# Altium PCB DK2.PcbDoc (part 2 of 5)
Units mm, origin at the board's own origin, x right, y up, seen from the top; angles counter-clockwise.
Board outline 129.5 x 68 mm, 4 copper layers (Top Layer, MidLayer1, Power, Bottom Layer), stack 0.98 mm thick; 275 components, 227 nets, 1103 pads, 1072 vias.
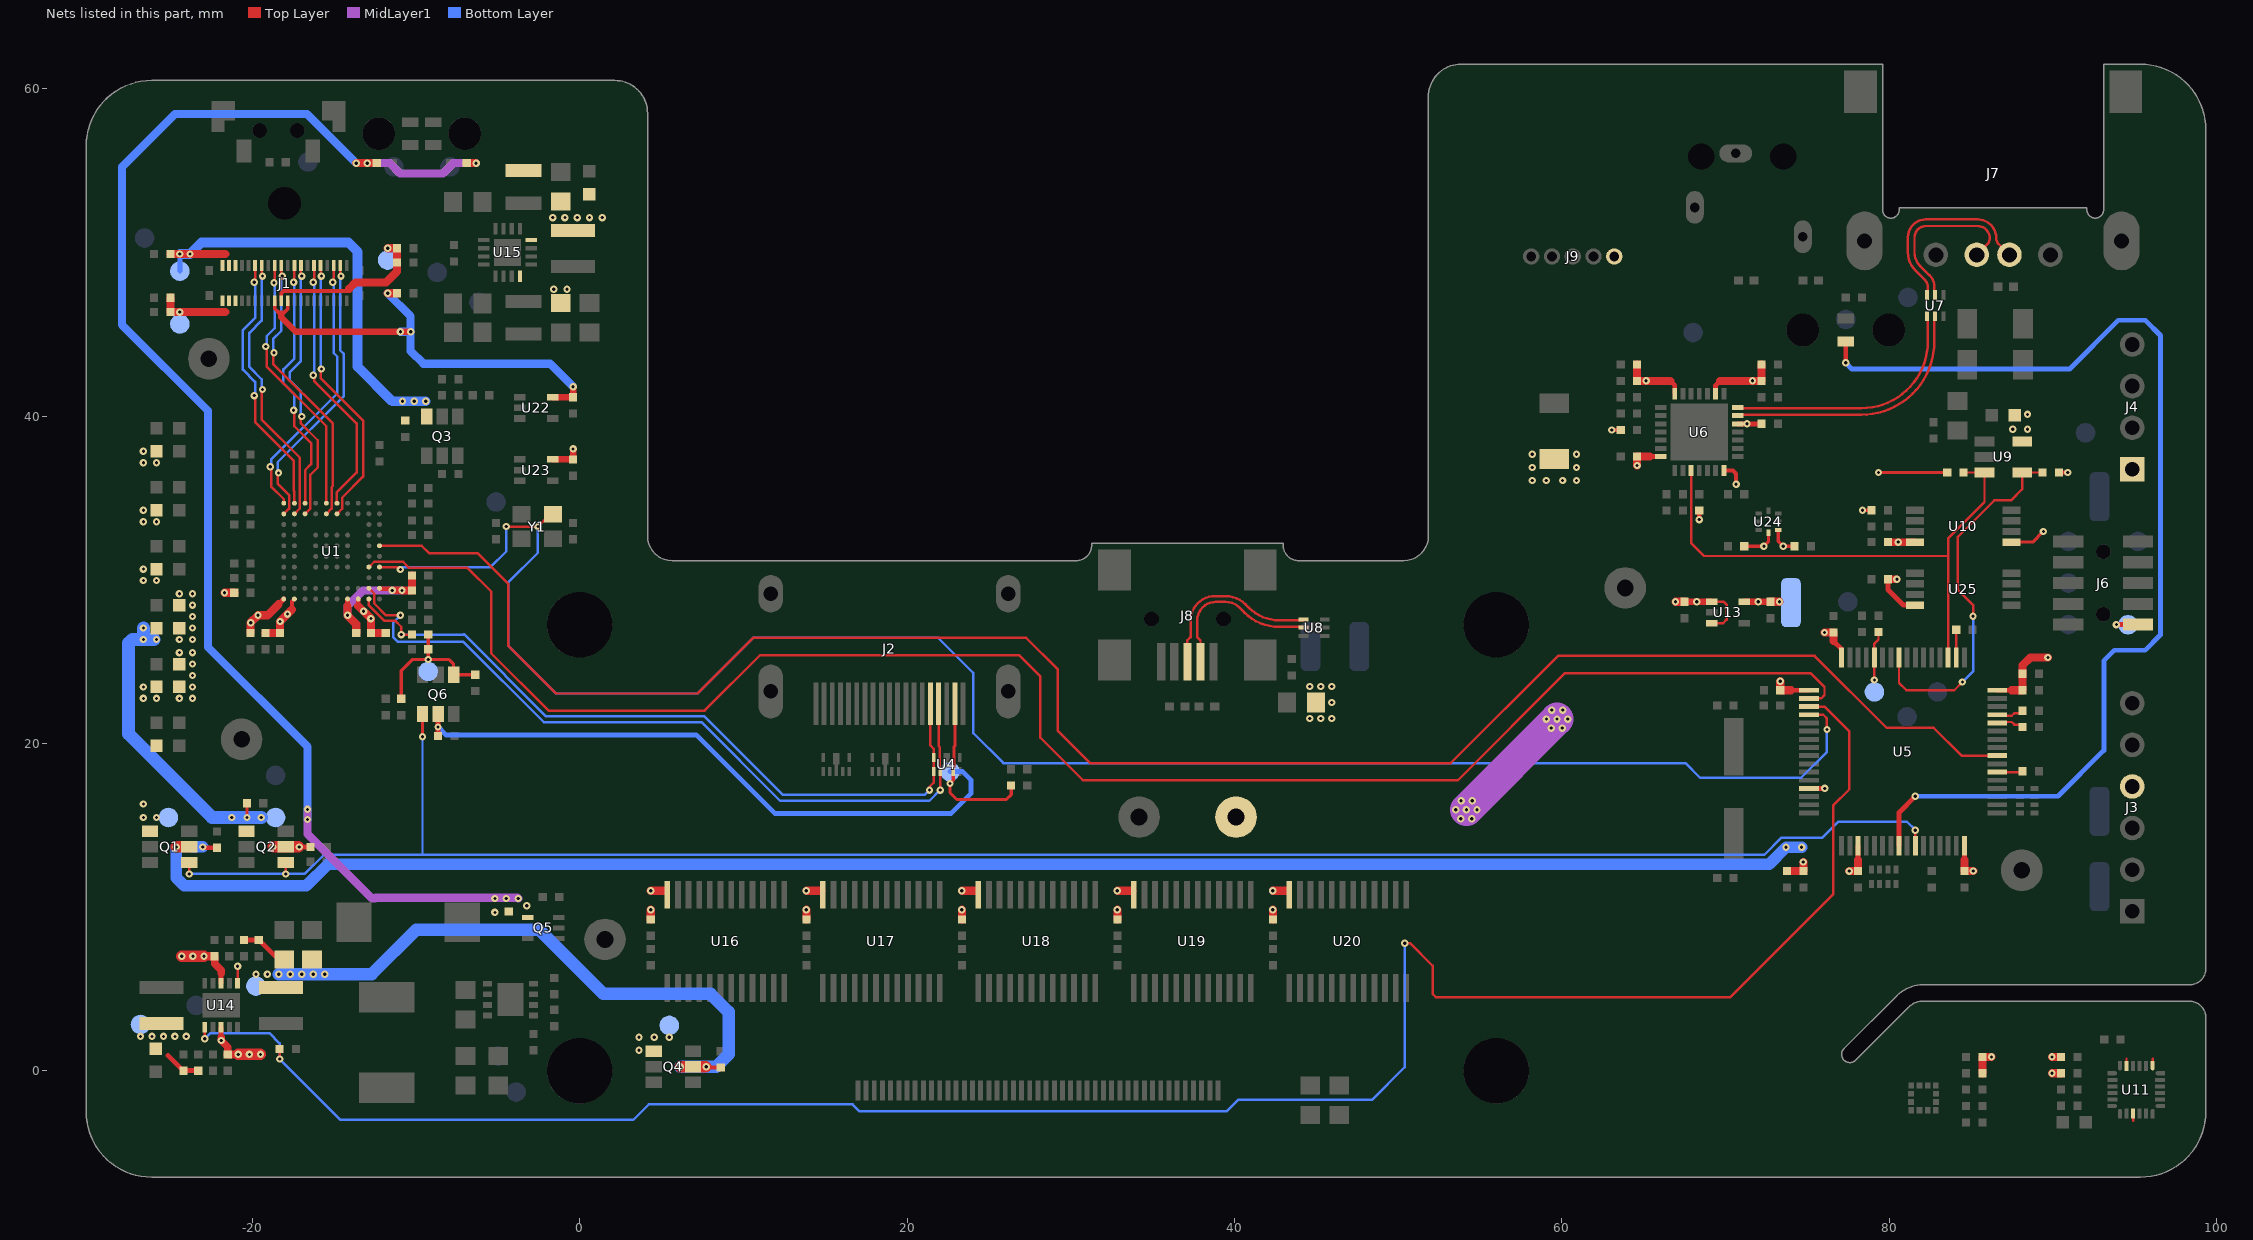
[diagram p4: the nets of this part, all layers, seen from the top]

## Part data
C1 C34 C40 C41 C50 C58 C61 C62 C77 C78 C79 C87: library part "CAP, CERAMIC", "CAP, CERAMIC, 1uF, ±10%, 10V, X5R, 0402"
C2 C5 C8 C10 C11 C14 C16 C19 C20 C23 C24 C27 C35 C52: library part "CAP, CERAMIC", "CAP, CERAMIC, 0.01uF, ±10%, 25V, X7R, 0402"
C3 C6 C12 C17 C21 C25 C49 C54 C68 C70: library part "CAP, CERAMIC", "CAP, CERAMIC, 10uF, ±20%, 6.3V, X5R, 0603"
C4 C7 C9 C13 C15 C18 C22 C26 C29 C30 C31 C32 C33 C36 C39 C42 C43 C44 C45 C46 C47 C51 C53 C55 C56 C57 C59 C60 C80 C81 C82 C83 C84 C85 C93 C94 C95 C96 C97 C100 C101 C102: library part "CAP, CERAMIC", "CAP, CERAMIC, 0.1uF, ±10%, 16V, X7R, 0402"
C28 C65 C66: library part "CAP, CERAMIC", "CAP, CERAMIC, 4.7uF, ±10%, 6.3V, X5R, 0402"
C37 C38: library part "CAP, CERAMIC", "CAP, CERAMIC, 20pF, ±5%, 50V, NP0, 0402"
C48 C99 C103: library part "CAP, CERAMIC", "CAP, CERAMIC, 100uF, ±20%, 6.3V, X5R, 1206"
C63 C67: library part "CAP, CERAMIC", "CAP, CERAMIC, 22pF, ±5%, 50V, NP0, 0402"
C64 C71 C72 C73 C74 C75 C76 C86 C88 C89 C91 C92 C98: library part "CAP, CERAMIC", "CAP, CERAMIC, 22uF, ±20%, 10V, X5R, 0805"
C69: library part "CAP, CERAMIC", "CAP, CERAMIC, 1nF, ±10%, 50V, X7R, 0402"
C90: library part "CAP, TANTALUM", "CAP, TANTALUM, 470uF, ±20%, 6.3V, 7343-38"
D1 D5: "LED, BLUE, 0603"
D2: "LED, AMBER, 0603"
D3 D4 D6 D7 D8: "DIODE, ESD SUPPRESSOR, SINGLE LINE BI-DIRECTIONAL, LOW CAPACITANCE"
FB1 FB2 FB3 FB4 FB5 FB6: library part INDUCTOR, "FERRITE CHIP BEAD, 220 OHM @ 100MHz, 2.2A, 0603"
FB7 FB8: library part INDUCTOR, "FERRITE CHIP BEAD, 22 OHM @ 100MHz, 6A, 0805"
FB9 FB10 FB11: library part INDUCTOR, "FERRITE CHIP BEAD, 120 OHM @ 100MHz, 1.5A, 0402"
J1: "CONNECTOR, 40-PIN HEADER, 0.4MM PITCH"
J2: "CONNECTOR, HDMI TYPE A, R/A, SMD"
J3: library part "HEADER 1X6", "CONNECTOR, HEADER, 6 POS, 1X6, 0.1\" PITCH"
J4: library part "HEADER 1X4", "CONNECTOR, HEADER, 4 POS, 1X4, 0.1\" PITCH"
J5: "CONNECTOR, 2.5MM STEREO AUDIO JACK"
J6: "CONNECTOR, 10 POS, ARM CORTEX SWD HEADER"
J7: "CONNECTOR, USB TYPE A RECEPTICLE, MID MOUNT"
J8: library part BW_11163-106004-03, "CONNECTOR, USB MINI B, R/A, SMD"
J9: "CONNECTOR, HEADER, 1X5, 0.05\" PITCH"
J10: "CONNECTOR, FPC HEADER, 45 POS, 0.5MM PITCH"
L1 L2: library part INDUCTOR, "FERRITE CHIP BEAD, 600 OHM @ 100MHz, 300mA, 0402"
L3 L4: library part INDUCTOR, "INDUCTOR, SHIELDED POWER, 2.2uH, 1.5A"
L5 L6: library part INDUCTOR, "INDUCTOR, SHIELDED POWER, 4.7uH, 1.4A"
L7: library part INDUCTOR, "INDUCTOR, SHIELDED POWER, 10uH, 730mA"
L8: library part INDUCTOR, "INDUCTOR, SHIELDED POWER, 2.2uH, 9A"
Q1 Q2 Q3 Q4 Q6: "FET, COMPLEMENTARY, LOGIC LEVEL"
Q5: "TRANSISTOR, DUAL SILICON PNP"
R1 R2 R3 R25 R26 R30: library part RESISTOR, "RES, 2K OHM, 1/10W, ±1%, 0402"
R4: library part RESISTOR, "RES, 1K OHM, 1/10W, ±1%, 0402"
R5 R20 R28: library part RESISTOR, "RES, 47K OHM, 1/10W, ±1%, 0402"
R6: library part RESISTOR, "RES, 33 OHM, 1/10W, ±1%, 0402"
R7 R12: library part RESISTOR, "RES, 470 OHM, 1/10W, ±1%, 0402"
R8: library part RESISTOR, "RES, 330 OHM, 1/10W, ±1%, 0402"
R9 R15 R17 R19 R21 R27 R35 R36 R42 R43 R50 R54: library part RESISTOR, "RES, 10K OHM, 1/10W, ±1%, 0402"
R10 R16 R22 R23 R32 R33 R34 R37: library part RESISTOR, "RES, 100K OHM, 1/10W, ±1%, 0402"
R11 R13 R14 R31: library part RESISTOR, "RES, 22 OHM, 1/10W, ±1%, 0402"
R18: library part RESISTOR, "RES, 1M OHM, 1/10W, ±1%, 0402"
R24: library part RESISTOR, "RES, 649 OHM, 1/10W, ±1%, 0402"
R29: library part RESISTOR, "RES, 453K OHM, 1/10W, ±1%, 0402"
R38: library part RESISTOR, "RES, 100 OHM, 1/10W, ±1%, 0402"
R39 R41 R53: library part RESISTOR, "RES, 4.7K OHM, 1/10W, ±1%, 0402"
R45 R46 R47 R48 R49: library part RESISTOR, "RES 340 OHM, 1/10W, ±1%, 0402"
R51: library part RESISTOR, "RES, 10 OHM, 1/10W, ±1%, 0402"
R52: library part RESISTOR, "RES, 24K OHM, 1/10W, ±1%, 0402"
RA1 RA2: "RESISTOR ARRAY, 4 RESISTORS, 22 OHM, 5%, 0.5MM PITCH"
SW1: "SWITCH, TACTILE, SPST-NO, 250gf"
TP1 TP2 TP3 TP4 TP5 TP6 TP7 TP8 TP9 TP10 TP12 TP13 TP19 TP20 TP21 TP22 TP23 TP24 TP25 TP26 TP27 TP28 TP29 TP30 TP31 TP33 TP34 TP35 TP36 TP37 TP38 TP39 TP40 TP41 TP42 TP43 TP44 TP45 TP46 TP47: library part TEST_POINT_GENERIC
TP11 TP14 TP15 TP16 TP17 TP18: library part TEST_POINT_BLACK
TP32: library part TEST_POINT_RED
U1: "IC, HDMI RX TO MIPI DSI TX BRIDGE"
U2 U3 U4: "IC, 4-LINE ESD PROTECTION ARRAY, HIGH SPEED"
U5: "IC, STM32L MICROCONTROLLER, ARM CORTEX M3"
U6: "IC, USB 2.0 HUB CONTROLLER, 4-PORT, STT"
U7 U8: "IC, COMMON MODE FILTER WITH ESD PROTECTION FOR MIPI"
U9: "IC, USB POWER DISTRIBUTION SWITCH, 500mA CURRENT LIMIT"
U10: "IC, EEPROM, I2C, 32 Kbits"
U11: "IC, MEMS 3 AXIS GYROSCOPE AND 3 AXIS ACCELEROMETER"
U12: "IC, MEMS 3 AXIS MAGNETOMETER"
U13: "IC, LDO REGULATOR, 3.0V, 150mA, HIGH PSRR"
U14: "IC, DUAL STEP DOWN CONVERTER, 1A, 1.25MHz"
U15: "IC, TRIPLE OUTPUT AMOLED DISPLAY POWER SUPPLY"
U16 U17 U18 U19 U20: "IC, LED DRIVER, 16-BIT CONSTANT CURRENT SINK DRIVER"
U21: "IC, BUCK REGULATOR, 3A"
U22 U23: "IC, NON-INVERTING BUFFER, CMOS LOGIC LEVEL SHIFTER"
U24: "IC, I2C TRANSLATOR, BUFFER AND REPEATER"
U25: "IC, EEPROM, I2C, 2kB"
X1: "CRYSTAL, 12MHZ, +/-30PPM, 20pF, HC-49USX"
Y1: "OSCILLATOR, 27MHz, MEMS, 3.3V, 50PPM"

## Free pads (board coordinates)
  round 0 hole 2 slot 15 at 0 deg unplated mask+0.1: 0(-18.025,53)
  round 2 hole 2 unplated: 0(-12.275,57.25) 0(-7.025,57.25) 0(74.725,45.25) 0(79.975,45.25)
  round 4 hole 4 unplated: 0(0,0) 0(0,27.25) 0(56,0) 0(56,27.25)

## Via types
v1: diameter 0.45, hole 0.2, Top Layer to Bottom Layer, tented both sides, 801 vias
v2: diameter 0.8, hole 0.3, Top Layer to Bottom Layer, tented both sides, 266 vias
v3: diameter 0.457, hole 0.203, Top Layer to Bottom Layer, tented both sides, 5 vias

## Nets (pads, with @x,y where several pads share a name; then routed paths per layer and width w, separated by ;. In a path a pad name is that pad's centre, name@x,y a point inside that pad or via, vN(x,y) a via of type N, cw(c..) or ccw(c..) an arc to the next point about the centre after c; other vN are vias at no path point)
1.2V: C67.1 C68.1 FB2.1 FB3.1 FB4.1 FB5.1 L4.1 R32.2 TP28.1 | length 2.2
  Top Layer w0.3: -25.158,0.942 -24.225,0.008 R32.2@-23.3,0.008
  other v1: -26.825,2.1 -26.125,2.1 -25.425,2.1 -24.725,2.1 -24.025,2.1 -26.65,22.75 -25.85,22.75 -26.65,23.45 -26.65,29.95 -25.85,29.95 -26.65,30.65 -26.65,33.55 -25.85,33.55 -26.65,34.25 -26.65,37.15 -25.85,37.15 -26.65,37.85
3.0V: C28.1 C29.1 C30.1 C31.1 C32.1 C33.1 C34.1 C35.1 C51.1 C55.1 C59.1 C62.1 C80.1 C101.1 J3.4 J4.1 J6.1 L1.2 L2.2 Q1.2 R16.2 R26.2 R35.2 TP8.1 TP24.1 U5.1 U5.13 U5.19 U5.32 U5.48 U5.64 U10.1 U10.8 U13.5 U24.1 U25.8 | length 137.7
  Top Layer w0.2: U24.1@73.23,33.05 73.23,32.345 v1(73.525,32.05) C80.1@74.225,32.05 ; v1(78.375,34.25) R26.2@78.925,34.25 ; U10.1@87.475,32.3 88.775,32.3 v1(89.425,32.95)
  Top Layer w0.25: v1@-22.969,13.625 R35.2@-22.15,13.625 ; R16.2@90.375,36.55 v1(90.917,36.55)
  Top Layer w0.3: 73.999,23.251 U5.1@75.101,23.251 ; U5.13@75.101,17.251 v1(76.071,17.251) ; 76.601,26.249 77.101,25.749 U5.64@77.101,25.251 ; 78.101,12.876 U5.19@78.101,13.751 ; C101.1@79.925,30.025 79.925,29.4 80.875,28.45 U25.8@81.575,28.45 ; 84.601,12.876 U5.32@84.601,13.751 ; U5.48@86.601,23.251 87.476,23.251 ; v1(93.885,27.259) J6.1@95.2,27.259
  Top Layer w0.4: U13.5@71.15,28.65 C62.1@72.775,28.65
  Top Layer w0.45: C101.1@79.925,30.025 v1(80.475,30.025) ; C51.1@80.025,32.3 U10.8@81.575,32.3
  Top Layer w0.5: C62.1@72.75,28.65 v1(73.3,28.65) ; v1(73.351,23.801) C29.1@73.351,23.251 73.999,23.251 ; C34.1@73.76,12.205 C35.1@74.76,12.205 v1(74.76,12.755) ; v1(76.051,26.776) C32.1@76.601,26.776 76.601,26.249 ; v1(77.559,12.201) C30.1@78.101,12.201 78.101,12.876 ; 84.601,12.876 84.601,12.209 v1(85.143,12.209) ; L2.2@85.7,-0.15 C59.1@85.7,0.85 v1(86.25,0.85) ; 87.476,23.251 C31.1@88.151,23.251 C28.1@88.151,24.251 ; C28.1@88.151,24.251 88.151,24.776 88.625,25.25 v1(89.7,25.25) ; v1(89.95,-0.15) L1.2@90.5,-0.15 ; v1(89.95,0.85) C55.1@90.5,0.85
  Top Layer w0.7: v1(-24.639,13.675) Q1.2@-23.85,13.675
  Bottom Layer w0.7: v1(-23.032,13.675) v1(-24.639,13.675) -24.639,11.789 -24.15,11.3 -16.7,11.3 -15.375,12.625 72.675,12.625 v1(73.7,13.65) v1(74.65,13.65)
  other v1: 72,28.65 80.55,32.3
3.0V_SW: C1.1 C93.1 C94.1 FB1.1 J1.19 J1.23 Q1.4 TP33.1 U22.5 U23.5 | length 30.4
  Top Layer w0.23: J1.23@-18.625,47.05 -18.625,46.55 -18.4,46.325 -18.05,46.325 -17.825,46.55 J1.19@-17.825,47.05
  Top Layer w0.4: -18.225,46.225 -18.225,46.03 -17.345,45.15 v1(-10.95,45.15) v1(-10.325,45.15) ; U23.5@-1.655,37.35 C94.1@-0.4,37.35 v1(-0.4,37.992) ; U22.5@-1.65,41.15 C93.1@-0.4,41.15 v1(-0.4,41.792)
  Top Layer w0.5: v1(-11.725,47.5) C1.1@-11.15,47.5
  Bottom Layer w0.5: v1(-11.725,47.5) -10.325,46.1 v1(-10.325,45.15) ; v1(-10.95,45.15) v1(-10.325,45.15) ; v1(-0.4,41.792) -1.808,43.2 -9.55,43.2 -10.325,43.975 v1(-10.325,45.15)
  other v1: -26.65,15.475 -25.85,15.475 -26.65,16.3
3.3V: C40.1 C41.1 C42.1 C43.1 C44.1 C45.1 C61.1 C63.1 C64.1 C95.1 C98.1 C99.1 L3.1 Q2.2 Q4.2 R15.2 R19.2 R29.2 R36.2 R50.2 TP27.1 U6.5 U6.9 U6.14 U6.21 U6.28 U13.1 U13.3 U24.8 | length 68.6
  Top Layer w0.15: U13.3@69.15,27.35 69.865,27.35 70.075,27.56 70.075,28.485 69.91,28.65 U13.1@69.15,28.65
  Top Layer w0.2: C95.1@71.15,32.05 v1(72.35,32.05) 72.625,32.325 U24.8@72.625,32.875 ; v1(79.35,36.55) R15.2@83.55,36.55
  Top Layer w0.25: v1@7.806,0.2 R50.2@8.625,0.2 ; v1(68.401,33.674) R19.2@68.401,34.216 ; U6.28@69.901,36.674 70.451,36.674 70.65,36.475 v1@70.65,35.85
  Top Layer w0.3: R29.2@-20.5,8 C63.1@-19.6,8 -18.65,7.05 ; v1(-17.132,13.675) R36.2@-16.45,13.675 ; 65.376,37.524 U6.21@66.051,37.524 ; 66.625,42.149 66.901,41.873 U6.14@66.901,41.374 ; U6.9@69.401,41.374 69.401,41.874 69.676,42.149 ; U6.5@70.751,39.524 v1(71.315,39.524) C42.1@72.193,39.524
  Top Layer w0.4: C61.1@67.5,28.65 U13.1@69.133,28.65
  Top Layer w0.5: v1(64.6,36.975) C45.1@64.601,37.524 65.376,37.524 ; C41.1@64.601,43.149 C44.1@64.601,42.149 v1(65.151,42.149) 66.625,42.149 ; v1(66.95,28.65) C61.1@67.5,28.65 ; 69.676,42.149 v1(71.651,42.149) C43.1@72.201,42.149 C40.1@72.201,43.149
  Top Layer w0.7: v1@-18.724,13.675 v1@-17.174,13.675 ; v1@6.15,0.25 v1@7.701,0.25
  Bottom Layer w0.762: v1(-18.375,5.9) -12.7,5.9 -9.975,8.625 -2.475,8.625 1.45,4.7 8,4.7 9.1,3.6 9.1,1 8.35,0.25 v1(6.136,0.25)
  other v1: 7.743,0.25 -19.775,5.9 -19.075,5.9 -17.675,5.9 -16.975,5.9 -16.275,5.9 -15.575,5.9 -18.739,13.675 68.25,28.65 70.65,35.825 58.2,36.06 59.05,36.06 60.05,36.06 60.9,36.06 58.2,36.86 60.9,36.86 58.2,37.66 60.9,37.66
3.3V_LED: C81.1 C82.1 C83.1 C84.1 C85.1 Q4.4 TP43.1 U16.24 U17.24 U18.24 U19.24 U20.24 | length 7.6
  Top Layer w0.5: C81.1@4.35,9.25 v1(4.35,9.842) ; v1(4.35,11) U16.24@5.275,11 ; C82.1@13.85,9.25 v1(13.85,9.842) ; v1(13.85,11) U17.24@14.775,11 ; C83.1@23.35,9.25 v1(23.35,9.842) ; v1(23.35,11) U18.24@24.275,11 ; C84.1@32.85,9.25 v1(32.85,9.842) ; v1(32.85,11) U19.24@33.775,11 ; C85.1@42.35,9.25 v1(42.35,9.842) ; v1(42.35,11) U20.24@43.275,11
  other v1: 3.625,1.25 3.625,2.05 4.55,2.05 5.475,2.05
3.3V_SW: C70.1 C71.1 C72.1 C100.1 FB6.1 L5.2 L7.2 Q2.4 TP34.1 U15.12 U15.16 | length 19
  Top Layer w0.2: v1(-20.325,15.475) C100.1@-20.325,16.35
  Bottom Layer w0.8: v1(-26.65,27.05) v1(-26.65,26.35) ; v1@-26,26.35 v1(-26.65,26.35) ; v1(-19.45,15.475) v1(-21.25,15.475) -22.45,15.475 -27.55,20.575 -27.55,26.125 -27.325,26.35 v1(-26.65,26.35)
  other v1: -25.85,26.35 -1.575,47.75 -0.775,47.75 -1.65,52.125 -0.9,52.125 -0.15,52.125 0.6,52.125 1.375,52.125
5V: C49.1 C65.1 C66.1 FB7.2 J9.1 Q5.4 R7.2 R8.2 R17.2 R51.1 TP32.1 U9.5 U14.1 U14.3 U14.8 | length 103.9
  Top Layer w0.15: U14.1@-20.9,5.35 v1@-20.9,6.38
  Top Layer w0.25: v1(63.051,39.149) R17.2@63.601,39.149
  Top Layer w0.3: v1@-21.9,2.05 U14.8@-21.9,2.65 ; U14.3@-21.9,5.35 -21.9,5.95
  Top Layer w0.45: C65.1@-22.3,7 -22.3,6.55 -21.9,6.15 -21.9,5.95 ; v1@-21.9,2.05 v1(-21.9,1.85) -21.5,1.45 C66.1@-21.5,1.008
  Top Layer w0.5: v1@-22.8,7 C65.1@-22.3,7 ; C66.1@-21.5,1 v1@-21,1 ; v1(-13.65,55.45) R8.2@-12.4,55.45 ; R7.2@-6.9,55.45 v1(-6.325,55.45)
  Top Layer w0.7: v1(-24.3,7) v1(-22.95,7) ; v1(-20.85,1) v1(-19.5,1)
  MidLayer1 w0.5: v1(-16.625,15.97) -16.625,14.465 -12.685,10.525 -12.509,10.525 -12.459,10.575 -3.8,10.575 v1(-3.75,10.525) ; v1(-12.975,55.45) -11.6,55.45 -10.975,54.825 -8.341,54.825 -7.716,55.45 v1(-6.325,55.45)
  MidLayer1 w2: v1(54.175,15.95) v1(59.712,21.488)
  Bottom Layer w0.5: v1(-16.625,15.35) -16.625,19.8 -22.7,25.875 -22.7,40.325 -27.95,45.575 -27.95,55.225 -24.715,58.46 -16.66,58.46 v1(-13.65,55.45) v1(-12.975,55.45)
  other v1: -20.175,1 -20.895,6.38 -23.625,7 -5.175,9.675 -3.225,10.075 -5.175,10.525 -4.475,10.525 53.825,15.4 54.5,15.4 53.525,15.95 54.825,15.95 53.85,16.5 54.525,16.5 59.363,20.938 60.037,20.938 59.062,21.488 60.362,21.488 44.6,21.525 45.275,21.525 45.95,21.525 59.387,22.037 60.062,22.037 45.95,22.5 44.6,23.475 45.275,23.475 45.95,23.475 87.55,39.2 88.45,39.2 88.45,40.1
ACC_LED_EN: D5.2 U5.24 | length 66.3
  Top Layer w0.3: v1(77.35,43.25) D5.2@77.35,44.55 ; U5.24@80.601,13.751 80.601,15.776 v1(81.6,16.775)
  Bottom Layer w0.3: v1(77.35,43.25) 77.725,42.875 91.025,42.875 94,45.85 95.65,45.85 96.58,44.92 96.58,26.63 95.64,25.69 93.76,25.69 93.12,25.05 93.12,19.58 90.315,16.775 v1(81.6,16.775)
ACC_PWR_EN: R16.1 U5.57 U9.4 | length 22.7
  Top Layer w0.15: U5.57@80.601,25.251 80.601,23.699 81.05,23.25 83.975,23.25 v1(84.475,23.75) ; v1(85.125,27.775) 85.125,28.45 84.2,29.375 84.2,32.626 86.424,34.85 87.45,34.85 88.125,35.525 U9.4@88.125,36.55 R16.1@89.375,36.55
  Bottom Layer w0.15: v1(84.475,23.75) 85.125,24.4 v1(85.125,27.775)
ACC_PWR_FAULT: R15.1 U5.51 U6.24 U9.3 | length 34
  Top Layer w0.15: U6.24@67.901,36.674 67.901,32.234 68.685,31.45 83.601,31.45 ; U5.51@83.601,25.251 83.601,32.526 85.825,34.75 U9.3@85.825,36.55 R15.1@84.55,36.55
AUX_CL: U11.7 | length 0.5
  Top Layer w0.15: U11.7@96.1,0.3 96.1,0.75
AUX_DA: U11.21 | length 0.5
  Top Layer w0.15: 94.9,-3.05 U11.21@94.9,-2.6
AVDD12: C17.1 C18.1 C19.1 C20.1 FB3.2 U1.A1 U1.H1 | length 6.5
  Top Layer w0.3: -18.4,28.5 U1.A1@-18.075,28.825 ; -13.525,28.4 U1.H1@-13.525,28.825
  Top Layer w0.5: C18.1@-20.1,26.758 v1(-20.1,27.375) v1(-19.65,27.825) -19.075,27.825 -18.4,28.5 ; -13.525,28.4 v1(-12.75,27.625) C19.1@-12.75,26.75 C20.1@-11.85,26.75
  other v1: -24.45,22.75 -23.65,22.75 -23.65,23.45 -23.65,24.15 -23.65,24.85 -24.45,25.55 -23.65,25.55 -13.199,28.074
AVDD33: C15.1 C16.1 C21.1 C22.1 C23.1 C24.1 FB6.2 R1.2 U1.B1 U1.G1 U1.K2 | length 13.4
  Top Layer w0.25: -17.575,28.175 -17.575,28.675 U1.B1@-17.45,28.8 ; U1.K2@-12.225,29.45 v1@-11.449,29.45
  Top Layer w0.3: -14.175,28.4 U1.G1@-14.175,28.825
  Top Layer w0.45: v1(-11.449,29.349) v1(-10.849,29.349)
  Top Layer w0.5: v1(-21.699,29.2) R1.2@-21.099,29.2 ; C22.1@-19.2,26.75 C23.1@-18.3,26.75 v1(-18.3,27.45) -17.575,28.175 ; -14.175,28.4 v1(-14.175,27.826) -13.65,27.301 C24.1@-13.65,26.75 ; v1@-10.849,29.35 C16.1@-10.25,29.35 C15.1@-10.25,30.25
  MidLayer1 w0.5: v1(-14.175,27.826) -14.175,28.4 -13.226,29.349 v1(-11.449,29.349) v1(-10.849,29.349)
  other v1: -24.45,26.35 -23.65,26.35 -23.65,27.05 -23.65,27.75 -17.85,27.9 -23.65,28.45 -24.45,29.15 -23.65,29.15
BOOT0: R9.2 TP23.1 U5.60 | length 3
  Top Layer w0.15: v1@79.101,23.9 U5.60@79.101,25.251 79.101,26.101 79.351,26.351 R9.2@79.351,26.793
  other v1: 79.1,23.875
BRIDGE_1.2V_EN: R34.2 U5.3 U14.6 | length 131.5
  Top Layer w0.15: v1(-22.9,1.95) U14.6@-22.9,2.65 U14.6@-22.9,2.7 ; v1(-18.327,0.723) R34.2@-18.327,1.338 ; v1(50.4,7.8) 50.725,7.8 52.118,6.407 52.118,4.682 52.3,4.5 70.3,4.5 76.575,10.775 76.575,16.2 77.575,17.2 77.575,20.725 76.049,22.251 U5.3@75.101,22.251
  Bottom Layer w0.15: v1(-22.9,1.95) -22.55,2.3 -18.95,2.3 -18.327,1.677 v1(-18.327,0.723) -14.604,-3 3.275,-3 4.225,-2.05 16.675,-2.05 17.1,-2.475 39.525,-2.475 40.225,-1.775 48.407,-1.775 50.4,0.218 v1(50.4,7.8)
BRIDGE_IRQ: U1.J4 U5.2 | length 106.4
  Top Layer w0.15: U1.J4@-12.875,30.775 -12.55,31.1 -10.789,31.1 -10.414,30.725 -6.85,30.725 -5.4,29.275 -5.4,25.5 -1.9,22 7.635,22 11.035,25.4 26.85,25.4 28.15,24.1 28.15,20.345 30.745,17.75 53.655,17.75 60.205,24.3 75.2,24.3 76.05,23.45 76.05,22.95 75.851,22.751 U5.2@75.101,22.751
BRIDGE_PWR_EN: Q1.1 Q2.1 Q6.1 U5.26 | length 117.9
  Top Layer w0.15: v1(-23.85,12.025) Q1.1@-23.85,12.725 ; v1(-17.95,12.025) Q2.1@-17.95,12.725 ; U5.26@81.601,13.751 v1(81.601,14.701)
  Top Layer w0.2: v1(-9.6,20.4) Q6.1@-9.6,21.8
  Bottom Layer w0.15: v1(-23.85,12.025) -16.8,12.025 -15.625,13.2 -9.6,13.2 ; v1(-9.6,20.4) -9.6,13.2 ; v1(81.601,14.701) 81.077,15.225 76.9,15.225 75.9,14.225 73.4,14.225 72.375,13.2 -9.6,13.2
BRIDGE_RESET: U1.K6 U5.40 | length 116.8
  Top Layer w0.15: U1.K6@-12.225,32.075 -9.65,32.075 -9.2,31.625 -6.241,31.625 -4.35,29.734 -4.35,25.959 -1.441,23.05 7.2,23.05 10.6,26.45 27.285,26.45 29.2,24.535 29.2,20.78 31.18,18.8 53.22,18.8 59.77,25.35 75.45,25.35 79.85,20.95 82.725,20.95 84.424,19.251 U5.40@86.601,19.251
BRIDGE_STBY: U1.K4 U5.4 Y1.1 | length 113.4
  Top Layer w0.15: U1.K4@-12.225,30.775 -11.1,30.775 v1(-10.95,30.625) ; v1(-4.475,33.25) v1(-2.55,33.25) Y1.1@-1.925,33.875 ; U5.4@75.101,21.751 75.973,21.751 76.2,21.524 v1(76.2,20.85)
  Bottom Layer w0.15: v1(-10.95,30.625) -10.825,30.75 -5.466,30.75 -4.475,31.741 v1(-4.475,33.25) ; v1(-2.55,33.25) -2.55,31.65 -4.35,29.85 -4.35,25.959 -1.441,23.05 7.2,23.05 10.6,26.45 21.909,26.45 24.05,24.309 24.05,20.635 25.885,18.8 67.555,18.8 68.455,17.9 74.625,17.9 76.2,19.475 v1(76.2,20.85)
C_D2USBD_N: J7.2 U7.5 | length 10.7
  Top Layer w0.15: U7.5@82.81,47.4 82.76,47.45 82.76,47.9 ccw(c81.781,47.9) 82.473,48.592 81.892,49.173 cw(c82.719,50) 81.55,50 81.55,50.909 cw(c82.251,50.909) 82.251,51.61 85.4,51.61 cw(c85.4,50.86) 86.15,50.86 cw(c85.643,50.86) 86.002,50.502 J7.2@85.35,49.85
C_D2USBD_P: J7.3 U7.6 | length 11.9
  Top Layer w0.15: 81.609,48.891 cw(c82.719,50) 81.15,50 81.15,50.915 cw(c82.245,50.915) 82.245,52.01 85.4,52.01 cw(c85.4,50.86) 86.55,50.86 ccw(c87.057,50.86) 86.698,50.502 ; 81.61,48.89 82.19,48.31 cw(c81.781,47.9) 82.36,47.9 82.36,47.45 U7.6@82.31,47.4 ; 86.698,50.502 J7.3@87.35,49.85
C_UUSBD_N: J8.2 U8.2 | length 10.2
  Top Layer w0.15: J8.2@37.93,24.995 37.93,26.295 37.725,26.5 37.725,27.5 cw(c38.875,27.5) 38.875,28.65 39.456,28.65 cw(c39.456,27.436) 40.315,28.294 40.612,27.997 ; 40.613,27.996 ccw(c42.718,30.104) 42.718,27.125 44.175,27.125 U8.2@44.225,27.075
C_UUSBD_P: J8.3 U8.1 | length 10.8
  Top Layer w0.15: J8.3@37.13,24.995 37.13,26.305 37.325,26.5 37.325,27.498 cw(c38.827,27.498) 38.827,29 39.457,29 cw(c39.457,27.266) 40.682,28.493 40.895,28.28 ; 40.896,28.279 ccw(c42.718,30.104) 42.718,27.525 44.175,27.525 U8.1@44.225,27.575
CAM_SYNC_IN: R31.1 U5.38 | length 1.5
  Top Layer w0.15: U5.38@86.601,18.251 R31.1@88.125,18.251
CAM_SYNC_OUT: R11.1 U5.50 | length 1.7
  Top Layer w0.15: U5.50@84.101,25.251 R11.1@84.1,26.95
D1USBD_N: R13.2 U5.44 | length 1.6
  Top Layer w0.15: U5.44@86.601,21.251 86.66,21.31 87.492,21.31 87.651,21.151 R13.2@88.151,21.151
D1USBD_P: R14.2 U5.45 | length 1.6
  Top Layer w0.15: U5.45@86.601,21.751 86.66,21.692 87.492,21.692 87.651,21.851 R14.2@88.151,21.851
D2USBD_N: U6.6 U7.2 | length 16.2
  Top Layer w0.15: U6.6@70.751,40.024 70.802,40.075 78.294,40.075 ; 78.294,40.079 ccw(c78.294,44.545) 82.76,44.545 82.76,46.05 U7.2@82.81,46.1
D2USBD_P: U6.7 U7.1 | length 15.5
  Top Layer w0.15: U6.7@70.751,40.524 70.8,40.475 78.294,40.475 ; 78.294,40.48 ccw(c78.294,44.545) 82.36,44.545 82.36,46.05 U7.1@82.31,46.1
DDC_+5V: J2.18 Q6.2 R21.2 R28.2 TP25.1 U4.4 | length 49.1
  Top Layer w0.2: J2.18@22.93,22.42 22.93,19.855 22.875,19.8 22.875,18.616 22.825,18.566 U4.4@22.825,18.295 22.825,17.75 v1(22.625,17.55) 22.625,17 23.05,16.575 26.075,16.575 26.375,16.875 R28.2@26.375,17.425
  Top Layer w0.3: R21.2@-8.65,20.45 v1(-8.65,21) Q6.2@-8.65,21.8
  Bottom Layer w0.3: v1(-8.65,21) -8.175,20.525 7.125,20.525 11.925,15.725 22.7,15.725 23.9,16.925 23.9,17.775 23.4,18.275 TP25.1@22.625,18.275
DDC_+5V_SW: C97.1 Q6.4 R4.2 R5.2 R42.1 TP26.1 | length 8.8
  Top Layer w0.2: R42.1@-10.9,22.725 -10.9,24.45 -10.225,25.125 v1(-9.25,25.125) ; R5.2@-9.25,26.65 R4.2@-9.25,25.75 v1(-9.25,25.125) ; C97.1@-6.375,24.2 Q6.4@-7.7,24.2 -7.7,24.85 -7.975,25.125 v1(-9.25,25.125)
DDC_SCL: J2.15 R5.1 U1.J1 U4.1 U4.8 | length 45.9
  Top Layer w0.15: U1.J1@-12.875,28.825 -12.875,28.426 -11.949,27.5 -11.275,27.5 -10.9,27.125 v1(-10.9,26.65) R5.1@-10.25,26.65 ; v1(21.375,17.15) 21.375,17.35 21.625,17.6 U4.1@21.625,18.295 U4.8@21.625,19.145 21.625,19.675 21.425,19.875 J2.15@21.425,22.42
  Bottom Layer w0.15: v1(-10.9,26.65) -7.075,26.65 ; -7.075,26.675 -2.05,21.65 7.625,21.65 12.4,16.875 21.1,16.875 v1(21.375,17.15)
DDC_SDA: J2.16 U1.J2 U4.2 | length 47.6
  Top Layer w0.14: -12.55,28.775 -12.55,28.85
  Top Layer w0.15: U1.J2@-12.875,29.475 -12.55,29.15 -12.55,28.85 ; -12.55,28.775 -12.55,28.55 -11.825,27.825 v1(-10.95,27.825) ; J2.16@21.925,22.42 21.925,19.85 22,19.775 22,18.5 22.025,18.475 U4.2@22.025,18.295 v1(22.025,17.15)
  Bottom Layer w0.15: v1(-10.95,27.825) -11.4,27.375 -11.4,26.5 -11.1,26.2 -7.095,26.2 -2.195,21.3 7.45,21.3 12.25,16.5 21.375,16.5 v1(22.025,17.15)
DSIC_N: J1.16 U1.C9 | length 16.5
  Top Layer w0.15: v1@-17.025,39.975 -17.025,39.545 -16,38.52 -16,36.86 -16.45,36.41 -16.45,34.35 U1.C9@-16.775,34.025 ; v1@-17.025,48.55 J1.16@-17.025,49.2
  Bottom Layer w0.15: v1@-17.025,39.975 -17.025,41.491 -17.7,42.166 -17.7,42.684 -17.025,43.359 v1@-17.025,48.55
  other v1: -16.975,39.975 -16.975,48.55
DSIC_P: J1.18 U1.C10 | length 15.7
  Top Layer w0.15: v1@-17.425,40.35 -17.425,39.379 -16.4,38.354 -16.4,37.06 -16.775,36.685 U1.C10@-16.775,34.675 ; v1@-17.425,48.175 J1.18@-17.425,49.2
  Bottom Layer w0.15: v1@-17.425,40.35 -17.425,41.325 -18.1,42 -18.1,42.85 -17.425,43.525 v1@-17.425,48.175
  other v1: -17.475,40.35 -17.475,48.175
DSID0_N: J1.10 U1.F9 | length 16.9
  Top Layer w0.15: v1@-15.825,42.875 -15.825,42.316 -13.23,39.721 -13.23,36.295 -14.5,35.025 -14.5,34.35 U1.F9@-14.825,34.025 ; v1@-15.825,48.55 J1.10@-15.825,49.2
  Bottom Layer w0.15: v1@-15.825,42.875 v1@-15.825,48.55
  other v1: -15.775,42.875 -15.775,48.55
DSID0_P: J1.12 U1.F10 | length 16.1
  Top Layer w0.15: v1@-16.225,42.5 -16.225,42.15 -13.63,39.555 -13.63,36.545 -14.825,35.35 U1.F10@-14.825,34.675 ; v1@-16.225,48.175 J1.12@-16.225,49.2
  Bottom Layer w0.15: v1@-16.225,42.5 v1@-16.225,48.175
  other v1: -16.275,42.5 -16.275,48.175
DSID1_N: J1.22 U1.E9 | length 17.1
  Top Layer w0.15: v1@-18.725,43.875 -18.725,43.191 -15.075,39.541 -15.075,35.725 -15.15,35.65 -15.15,34.35 U1.E9@-15.475,34.025 ; v1@-18.225,48.55 J1.22@-18.225,49.2
  Bottom Layer w0.15: v1@-18.725,43.875 -18.725,44.709 -18.225,45.209 v1@-18.225,48.55
  other v1: -18.675,43.875 -18.175,48.55
DSID1_P: J1.24 U1.E10 | length 16.2
  Top Layer w0.15: v1@-19.125,44.25 -19.125,43.025 -15.475,39.375 U1.E10@-15.475,34.675 ; v1@-18.625,48.175 J1.24@-18.625,49.2
  Bottom Layer w0.15: v1@-19.125,44.25 -19.125,44.875 -18.625,45.375 v1@-18.625,48.175
  other v1: -19.175,44.25 -18.675,48.15
DSID2_N: J1.28 U1.B9 | length 16.9
  Top Layer w0.15: v1@-19.425,41.625 -19.425,39.791 -17.1,37.466 -17.1,34.35 U1.B9@-17.425,34.025 ; v1@-19.425,48.55 J1.28@-19.425,49.2
  Bottom Layer w0.15: v1@-19.425,41.625 -19.425,42.25 -20.175,43 -20.175,45.084 -19.425,45.834 v1@-19.425,48.55
  other v1: -19.375,41.625 -19.375,48.55
DSID2_P: J1.30 U1.B10 | length 16.1
  Top Layer w0.15: v1@-19.825,41.25 -19.825,39.625 -17.475,37.275 -17.475,35.45 -17.425,35.4 U1.B10@-17.425,34.675 ; v1@-19.825,48.175 J1.30@-19.825,49.2
  Bottom Layer w0.15: v1@-19.825,41.25 -19.825,42.084 -20.575,42.834 -20.575,45.25 -19.825,46 v1@-19.825,48.175
  other v1: -19.875,41.25 -19.875,48.175
DSID3_N: J1.4 U1.A9 | length 17.4
  Top Layer w0.15: v1@-18.45,36.525 -18.45,35.875 -17.75,35.175 -17.75,34.35 U1.A9@-18.075,34.025 ; v1@-14.625,48.55 J1.4@-14.625,49.2
  Bottom Layer w0.15: v1@-18.45,36.525 -18.45,37.175 -14.4,41.225 -14.4,43.791 -14.625,44.016 v1@-14.625,48.55
  other v1: -18.4,36.525 -14.575,48.55
DSID3_P: J1.6 U1.A10 | length 16.6
  Top Layer w0.15: v1@-18.85,36.9 -18.85,35.7 -18.075,34.925 U1.A10@-18.075,34.675 ; v1@-15.025,48.175 J1.6@-15.025,49.2
  Bottom Layer w0.15: v1@-18.85,36.9 -18.85,37.341 -14.8,41.391 -14.8,43.625 -15.025,43.85 v1@-15.025,48.175
  other v1: -18.9,36.9 -15.075,48.175
ELAVDD: C79.1 FB11.2 J1.21 TP42.1 | length 10
  Top Layer w0.23: J1.21@-18.225,47.05 -18.225,47.525
  Top Layer w0.25: -18.225,47.525 -18.1,47.65 -14.075,47.65
  Top Layer w0.5: -14.075,47.775 -13.696,48.154 -11.821,48.154 -11.15,48.825 C79.1@-11.15,49.375 FB11.2@-11.15,50.25 v1(-11.725,50.25)
ELVDD: C78.1 FB9.2 J1.35 J1.37 J1.39 TP40.1 | length 4.2
  Top Layer w0.5: C78.1@-25,47.225 FB9.2@-25,46.35 -21.65,46.35
  other v1: -24.425,46.35
ELVSS: C69.1 C77.1 J1.36 J1.38 J1.40 Q3.6 TP38.1 | length 27.8
  Top Layer w0.5: C77.1@-25,49.9 v1(-23.8,49.9) -21.65,49.9
  Bottom Layer w0.3: TP38.1@-24.425,48.85 v1(-24.425,49.9)
  Bottom Layer w0.6: v1(-24.425,49.9) v1(-23.8,49.9) -23.1,50.6 -14.125,50.6 -13.565,50.04 -13.565,43.015 -11.45,40.9 v1(-10.825,40.9) v1(-10.1,40.9) v1(-9.4,40.9)
FSYNC: U11.11 | length 0.5
  Top Layer w0.15: U11.11@94.5,0.3 94.5,0.75